# Altium PCB Intermediate_LCL_Revised_20230413.PcbDoc (part 2 of 2)
Units mil, origin at the board's own origin, x right, y up, seen from the top; angles counter-clockwise.
Board outline 12850 x 6950 mil, 2 copper layers (Top Layer, Bottom Layer); 162 components, 99 nets, 541 pads, 45 vias.
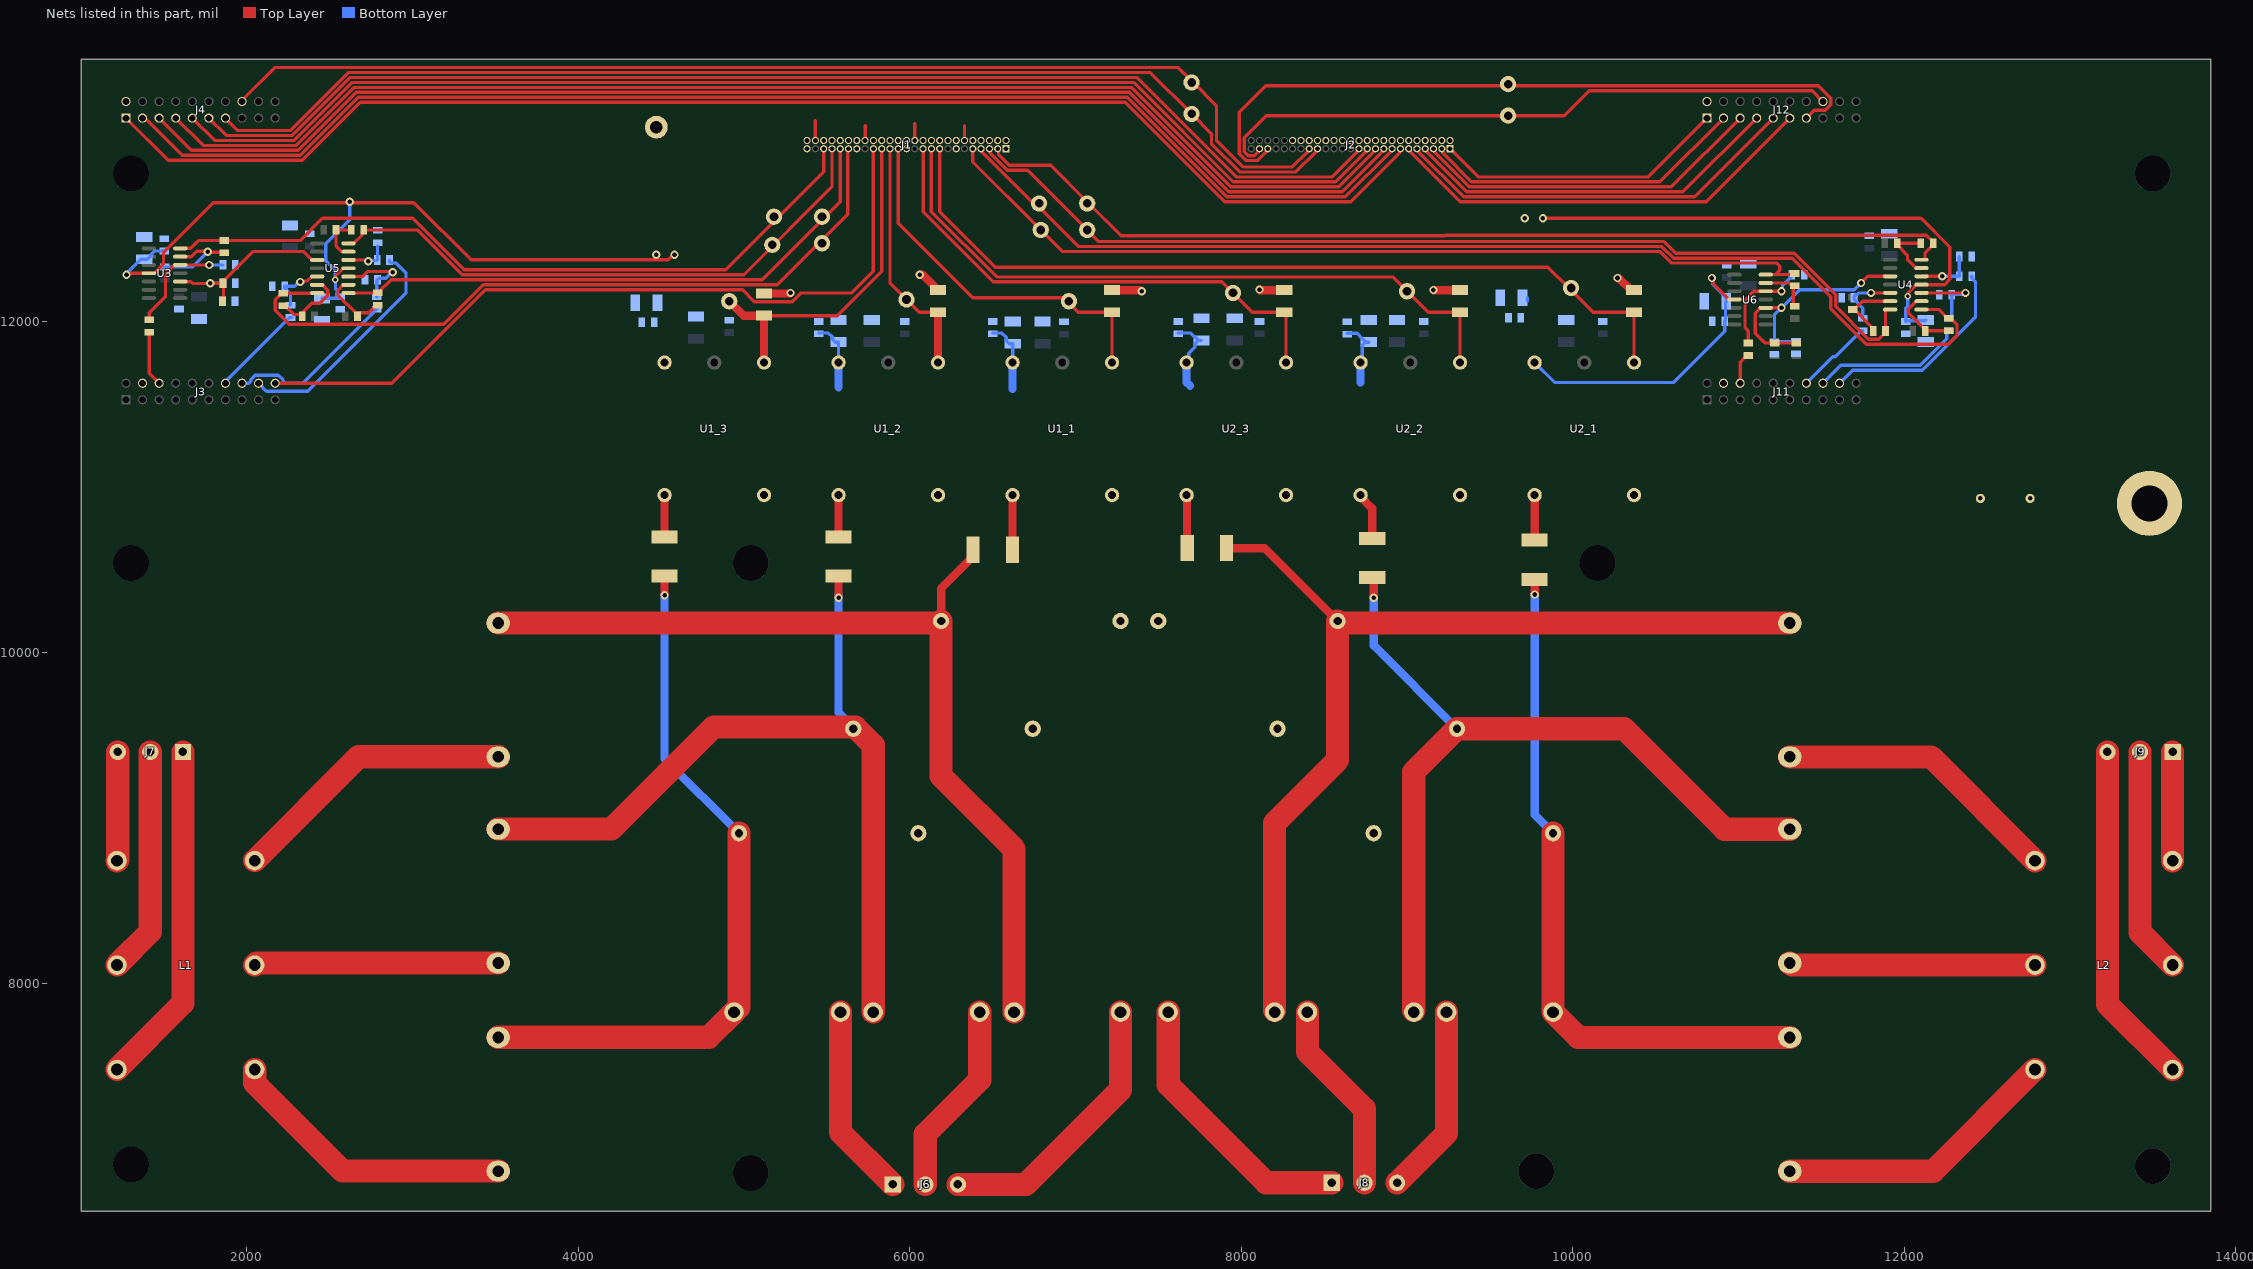
[diagram p2: the nets of this part, all layers, seen from the top]

## Via types
v1: diameter 50, hole 28, Top Layer to Bottom Layer, 41 vias
v2: diameter 40, hole 20, Top Layer to Bottom Layer, 4 vias

## Nets (pads, with @x,y where several pads share a name; then routed paths per layer and width w, separated by ;. In a path a pad name is that pad's centre, name@x,y a point inside that pad or via, vN(x,y) a via of type N, cw(c..) or ccw(c..) an arc to the next point about the centre after c; other vN are vias at no path point) (continued)
-15V: C10.2 C11.2 C14.2 C15.2 C18.2 C19.2 C22.2 C23.2 C26_1.2 C26_2.2 C26_3.2 C27_1.2 C27_2.2 C27_3.2 C30_1.2 C30_2.2 C30_3.2 C31_1.2 C31_2.2 C31_3.2 J1.12 J1.24 J1.36 J1.48 U1_1.4 U1_2.4 U1_3.4 U2_1.4 U2_2.4 U2_3.4 U3.11 U4.11 U5.11 U6.11 | length 12299.6
  Top Layer w20: v1(1272.6,12278.86) 1280.72,12278.86 1290.72,12288.86 U3.11@1408.11,12288.86 1439.61,12288.86 1496.36,12345.61 1496.36,12414.61 1796.74,12715 3007.43,12715 3353.21,12369.21 4541.09,12369.21 4571.88,12400 v1(4580,12400) ; v2(2531.93,12250) 2537.67,12255.74 2537.67,12275.43 2579.92,12317.68 2611.42,12317.68 U5.11@2612.6,12318.86 ; J1.48@5430,13090 5430,13210 ; J1.36@5730,13090 5730,13180 ; J1.24@6030,13090 6030,13190 ; J1.12@6330,13090 6330,13180 ; v1(9820,12620) 12102.1,12620 12275,12447.1 12275,12251.36 12243.64,12220 U4.11@12104.49,12220 12103.31,12218.82 12071.81,12218.82 12025.01,12172.02 12025.01,12153.83 v2(12021.18,12150) ; v1(10840,12260) 10845.74,12254.26 10845.74,12228.28 10944.02,12130 U6.11@10975.51,12130 11006.03,12130 11007.7,12131.67 U6.11@11007.7,12135.71
  Top Layer w50: U2_2.4@8720,11750 U2_2.4@8720.43,11749.57
  Bottom Layer w20: v1(1272.6,12278.86) 1272.6,12285.35 1360.32,12373.07 C15.2@1380,12373.07 1399.68,12373.07 1419.21,12392.6 1419.21,12400.75 1441.06,12422.6 C14.2@1500,12422.6 ; C11.2@2452.6,12135.79 2455.08,12138.27 2560.12,12138.27 2562.6,12140.75 2553.74,12140.75 2543.66,12150.83 2543.66,12168.05 2543.66,12185 2533.66,12195 2533.66,12248.27 v2(2531.93,12250) 2531.93,12308.33 2475.52,12364.74 2475.52,12466.07 2620,12610.55 v1(2620,12720) ; C26_2.2@5450,11928.11 5508.94,11928.11 5530.79,11906.26 5530.79,11892.6 5550.31,11873.07 C27_2.2@5570,11873.07 U1_2.4@5570,11750 ; C26_1.2@6500,11928.11 6554.96,11928.11 6580.79,11902.28 6580.79,11882.6 6600.31,11863.07 C27_1.2@6620,11863.07 U1_1.4@6620,11750 ; C30_3.2@7620,11928.11 7695.28,11928.11 C31_3.2@7740.31,11883.07 ; U2_3.4@7670,11750 7682.75,11762.75 7682.75,11805.82 7720.79,11843.86 7720.79,11863.54 C31_3.2@7740.31,11883.07 ; C31_3.2@7760,11883.07 C31_3.2@7740.31,11883.07 ; C30_2.2@8640,11926.22 8698.94,11926.22 8730.79,11894.37 8730.79,11892.6 C31_2.2@8750.32,11873.07 ; U2_2.4@8720,11750 8730.79,11760.79 8730.79,11853.54 C31_2.2@8750.32,11873.07 ; C31_2.2@8770,11873.07 C31_2.2@8750.32,11873.07 ; 9726.93,12120.32 9726.93,12140 ; U2_1.4@9770,11750 9890,11630 10610,11630 10917.4,11937.4 C22.2@10917.4,12000 10922.17,12004.76 10922.17,12115.24 C23.2@10926.93,12120 10926.93,12139.68 10845.74,12220.87 10845.74,12254.26 v1(10840,12260) ; v2@12015.59,12155.59 12022.58,12148.6 12022.58,12090 12010,12077.42 C18.2@12010,11997.4 12014.76,12002.17 12125.24,12002.17 C19.2@12130,12006.93 ; v2(12021.18,12150) v2@12021.18,12155.41
  Bottom Layer w50: 5570,11600 U1_2.4@5570,11750 ; 6620,11590 U1_1.4@6620,11750 ; U2_3.4@7670,11750 7670,11630 7690,11610 ; 8720,11630 U2_2.4@8720,11750
  other v1: 4470,12400 9710,12620
AGND: C2.1 C5.1 C7.1 C8.1 C9.1 C10.1 C11.1 C12.1 C13.1 C14.1 C15.1 C16.1 C17.1 C18.1 C19.1 C20.1 C21.1 C22.1 C23.1 C24_1.1 C24_2.1 C24_3.1 C25_1.1 C25_2.1 C25_3.1 C26_1.1 C26_2.1 C26_3.1 C27_1.1 C27_2.1 C27_3.1 C28_1.1 C28_2.1 C28_3.1 C29_1.1 C29_2.1 C29_3.1 C30_1.1 C30_2.1 C30_3.1 C31_1.1 C31_2.1 C31_3.1 J1.01 J1.02 J1.04 J1.06 J1.08 J1.10 J1.13 J1.14 J1.16 J1.18 J1.20 J1.22 J1.25 J1.26 J1.28 J1.30 J1.32 J1.34 J1.37 J1.38 J1.40 J1.42 J1.44 J1.46 J1.49 J1.50 J2.02 J2.04 J2.06 J2.08 J2.10 J2.12 J2.14 J2.16 J2.18 J2.20 J2.22 J2.24 J2.26 J2.28 J2.30 J2.32 J2.34 J2.36 J2.38 J2.40 J3.04 J4.02 J11.04 J12.02 R2_1.1 R2_2.1 R2_3.1 R4_1.1 R4_2.1 R4_3.1 R7.1 R10.2 R13.1 R16.2 R36_1.1 R36_2.1 R36_3.1 R40_1.1 R40_2.1 R40_3.1 TP35.1 | length 941.4
  Top Layer w50: R2_3.1@5120,12166.93 5276.93,12166.93 v1(5280,12170) ; v1(6060,12280) 6076.93,12280 R2_2.1@6170,12186.93 ; R2_1.1@7220,12186.93 7393.07,12186.93 v1(7400,12180) ; v1(8110,12190) 8113.07,12186.93 R4_3.1@8260,12186.93 ; v1(9159.39,12187.74) 9160.2,12186.93 R4_2.1@9320,12186.93 ; v1(10270,12260) 10277.24,12260 10350.32,12186.93 R4_1.1@10370,12186.93
  Bottom Layer w20: J2.40@8305.62,13094.38 J2.40@8310,13090
C1_Neut: C3_1.1 C3_2.1 C3_3.1 U1_1.1 U1_2.1 U1_3.1
C2_Neut: C1_1.1 C1_2.1 C1_3.1 U2_1.1 U2_2.1 U2_3.1
Earth: C2.2 J18.1
EPWM1A: J2.01 J12.01 | length 1767.5
  Top Layer w20: J2.01@9260,13040 9430,12870 10455,12870 J12.01@10810,13225
EPWM1B: J2.03 J12.03 | length 1954.7
  Top Layer w20: J2.03@9210,13040 9214.38,13035.62 9214.38,13014.42 9388.8,12840 10525,12840 J12.03@10910,13225
EPWM2A: J2.05 J12.05 | length 2125.1
  Top Layer w20: J2.05@9160,13040 9164.38,13035.62 9164.38,13021.99 9376.38,12810 10595,12810 J12.05@11010,13225
EPWM2B: J2.07 J12.07 | length 2297.1
  Top Layer w20: J2.07@9110,13040 9110,13033.8 9118.54,13025.26 9118.54,13022.83 9361.37,12780 10665,12780 J12.07@11110,13225
EPWM3A: J2.09 J12.09 | length 2471.9
  Top Layer w20: J2.09@9060,13040 9060,13033.8 9068.54,13025.26 9068.54,13022.83 9341.37,12750 10735,12750 J12.09@11210,13225
EPWM3B: J2.11 J12.11 | length 2646.8
  Top Layer w20: J2.11@9010,13040 9010,13033.8 9018.54,13025.26 9018.54,13022.83 9321.37,12720 10805,12720 J12.11@11310,13225
EPWM4A: J2.13 J4.01 | length 8333.4
  Top Layer w20: J4.01@1270,13225 1525,12970 2334.56,12970 2684.56,13320 7300,13320 7900,12720 8660,12720 8955.62,13015.62 8955.62,13035.62 J2.13@8960,13040
EPWM4B: J2.15 J4.03 | length 8151.9
  Top Layer w20: J4.03@1370,13225 1379.18,13225 1391.97,13212.22 1397.78,13212.22 1610,13000 2322.13,13000 2672.13,13350 7312.43,13350 7912.43,12750 8628.63,12750 8901.46,13022.83 8901.46,13025.26 8910,13033.8 J2.15@8910,13040
EPWM5A: J2.17 J4.05 | length 7977
  Top Layer w20: J4.05@1470,13225 1665,13030 2309.71,13030 2659.71,13380 7324.85,13380 7924.85,12780 8608.63,12780 8798.63,12970 8851.46,13022.83 8851.46,13025.26 8860,13033.8 J2.17@8860,13040
EPWM5B: J2.19 J4.07 | length 7802.2
  Top Layer w20: J4.07@1570,13225 1735,13060 2297.28,13060 2647.28,13410 7337.28,13410 7937.28,12810 8588.63,12810 8805.62,13026.99 8805.62,13035.62 J2.19@8810,13040
EPWM6A: J2.21 J4.09 | length 7627.3
  Top Layer w20: J4.09@1670,13225 1805,13090 2284.85,13090 2634.85,13440 7350,13440 7950,12840 8568.63,12840 8751.46,13022.83 8751.46,13025.26 8760,13033.8 J2.21@8760,13040
EPWM6B: J2.23 J4.11 | length 7452.5
  Top Layer w20: J4.11@1770,13225 1875,13120 2272.43,13120 2622.43,13470 7370,13470 7970,12870 8548.63,12870 8705.62,13026.99 8705.62,13035.62 J2.23@8710,13040
I_InA_1: J3.14 R39_1.1 | length 573.1
  Bottom Layer w20: J3.14@1870,11625 1876.72,11631.72 1876.72,11644.44 2253.74,12021.46 R39_1.1@2262.6,12021.46 R39_1.1@2271.46,12021.46
I_InA_2: J3.16 R39_2.1 | length 1051.1
  Bottom Layer w20: J3.16@1970,11625 1970.68,11625.68 2010.73,11625.68 2022.44,11637.39 2022.44,11644.7 2050.3,11672.56 2189.7,11672.56 2217.56,11644.7 2217.56,11636.72 2229.27,11625 2336.14,11625 2763.66,12052.52 2763.66,12061.38 2773.74,12071.46 R39_2.1@2782.6,12071.46
I_InA_3: J3.18 R39_3.1 | length 1412
  Bottom Layer w20: J3.18@2070,11625 2117.56,11577.44 2365.88,11577.44 2960,12171.56 2960,12290 2900,12350 2870.08,12350 2860,12360.08 R39_3.1@2860,12368.86
I_InB_1: J11.14 R35_1.1 | length 471.6
  Bottom Layer w20: J11.14@11410,11625 11569.5,11784.5 11583.04,11784.5 11741.14,11942.6 R35_1.1@11750,11942.6
I_InB_2: J11.16 R35_2.1 | length 915
  Bottom Layer w20: J11.16@11510,11625 11618.49,11733.49 12097.44,11733.49 12256.47,11892.52 12256.47,11932.52 12266.55,11942.6 R35_2.1@12270,11942.6
I_InB_3: J11.18 R35_3.1 | length 1240.9
  Bottom Layer w20: J11.18@11610,11625 11688.49,11703.49 12109.87,11703.49 12430,12023.62 12430,12238.54 12407.4,12261.14 R35_3.1@12407.4,12270
I_NegA_1: R37_1.1 R38_1.2 U5.6 | length 485.2
  Top Layer w20: R37_1.1@2220,12092.6 2228.86,12092.6 2281.46,12040 R38_1.2@2325.2,12040 ; R38_1.2@2325.2,12041.46 2391.05,12107.31 2438.56,12107.31 2486.93,12155.68 2486.93,12187.05 2455.12,12218.86 U5.6@2423.62,12218.86 U5.6@2391.15,12218.86 ; R38_1.2@2332.6,12021.14 R38_1.2@2332.6,12030
I_NegA_2: R37_2.1 R38_2.2 U5.9 | length 424.7
  Top Layer w20: U5.9@2612.7,12218.75 U5.9@2612.6,12218.86 2581.1,12218.86 2549.29,12187.05 2549.29,12155.68 2602.66,12102.31 2603.95,12102.31 2667.4,12038.86 R38_2.2@2667.4,12030 ; R38_2.2@2667.4,12050 2735.95,12050 2781.14,12095.2 R37_2.1@2790,12095.2
I_NegA_3: R37_3.1 R38_3.2 U5.13 | length 261.8
  Top Layer w20: U5.13@2612.6,12418.86 2611.91,12419.55 2570.45,12419.55 2537.4,12452.6 R38_3.2@2537.4,12550 R37_3.1@2612.6,12550
I_NegB_1: R33_1.1 R34_1.2 U4.6 | length 423.3
  Top Layer w20: R34_1.2@11690,12070 R34_1.2@11698.86,12070 ; R33_1.1@11812.6,11940 11802.52,11950.08 11802.52,11966.34 R34_1.2@11698.86,12070 ; U4.6@11915.51,12120 11748.86,12120 R34_1.2@11698.86,12070
I_NegB_2: R33_2.1 R34_2.2 U4.9 | length 417
  Top Layer w20: U4.9@12104.49,12120 12073.64,12120 12025.11,12071.47 12025.11,12051.15 12127.4,11948.86 R34_2.2@12127.4,11940 12128.7,11941.3 12268.7,11941.3 R33_2.1@12270,11942.6
I_NegB_3: R33_3.1 R34_3.2 U4.13 | length 377.2
  Top Layer w20: R33_3.1@12103.7,12466.3 R33_3.1@12100,12470 R34_3.2@11957.4,12470 11957.4,12461.14 12019.89,12398.65 12019.89,12373.1 12072.99,12320 U4.13@12104.49,12320
I_OutA_1: J1.39 R37_1.2 TP13.1 U5.7 | length 4525.8
  Top Layer w20: U5.7@2391.15,12168.86 U5.7@2423.62,12168.86 2422.93,12168.17 2391.15,12168.17 2220.76,12168.17 R37_1.2@2220,12167.4 2211.14,12167.4 2171.06,12127.32 2171.06,12064.24 2254.24,11981.06 3188.64,11981.06 3426.79,12219.21 5199.21,12219.21 5465,12485 5625.62,12645.62 5625.62,13035.62 J1.39@5630,13040
I_OutA_2: J1.41 R37_2.2 TP14.1 U5.8 | length 3515.5
  Top Layer w20: U5.8@2612.6,12168.86 U5.8@2645.07,12168.86 ; U5.8@2645.07,12169.43 2789.43,12169.43 R37_2.2@2790,12170 2869.21,12249.21 5109.21,12249.21 5500,12640 5580,12720 J1.41@5580,13040
I_OutA_3: J1.43 R37_3.2 TP15.1 U5.14 | length 3525
  Top Layer w20: U5.14@2612.6,12468.86 2644.09,12468.86 2694.72,12519.49 2694.72,12539.92 R37_3.2@2704.8,12550 3027.57,12550 3298.36,12279.21 4999.21,12279.21 5530,12810 J1.43@5530,13040
I_OutB_1: J1.05 R33_1.2 TP2.1 U4.7 | length 6121.1
  Top Layer w20: J1.05@6480,13040 6484.38,13035.62 6484.38,13013.19 6587.57,12910 6710,12910 TP2.1@7070,12550 7140,12480 10550.92,12480 10620.92,12410 11337.13,12410 11586.94,12160.19 11586.94,12088.36 11784.24,11891.06 11847.32,11891.06 11887.4,11931.14 11887.4,12068.33 11889.07,12070 U4.7@11915.51,12070
I_OutB_2: J1.07 R33_2.2 TP3.1 U4.8 | length 6771.9
  Top Layer w20: J1.07@6430,13040 6434.38,13035.62 6434.38,13020.76 6730.14,12725.01 6754.99,12725.01 6770,12710 TP3.1@6780,12710 ; TP3.1@6770,12700 7020,12450 10538.49,12450 10608.49,12380 11324.7,12380 11556.94,12147.76 11556.94,12075.93 11771.81,11861.06 12265.76,11861.06 12318.94,11914.24 12318.94,11977.32 12278.86,12017.4 R33_2.2@12270,12017.4 12261.14,12017.4 12208.54,12070 U4.8@12104.49,12070
I_OutB_3: J1.03 R33_3.2 TP1.1 U4.14 | length 6047.7
  Top Layer w20: J1.03@6530,13040 6534.38,13035.62 6534.38,13005.62 6600,12940 6850,12940 7075,12715 7275,12515 9227.65,12515 9231.59,12518.94 12134.72,12518.94 12174.8,12478.86 12174.8,12461.14 12125.98,12412.32 12125.98,12371.67 12124.31,12370 U4.14@12104.49,12370
I_PosA_1: R39_1.2 R40_1.2 U5.5 | length 358.9
  Top Layer w20: v1(2321.48,12236.38) 2327.22,12242.12 2364.41,12242.12 2391.15,12268.86 U5.5@2423.62,12268.86
  Bottom Layer w20: R39_1.2@2261.3,12097.56 R39_1.2@2262.6,12096.26 2262.6,12165.94 2227.4,12201.14 R40_1.2@2227.4,12210 2286.99,12210 2313.37,12236.38 v1(2321.48,12236.38) v1@2315.74,12230.64
I_PosA_2: R39_2.2 R40_2.2 U5.10 | length 497.7
  Top Layer w20: U5.10@2612.6,12268.86 2696.96,12268.86 2726.96,12298.86 2875.35,12298.86 v1(2880,12294.21)
  Bottom Layer w20: R39_2.2@2782.6,12146.26 2783.9,12147.56 2783.9,12245.35 2797.4,12258.86 2837.57,12258.86 2872.93,12294.21 v1(2880,12294.21)
I_PosA_3: R39_3.2 R40_3.2 U5.12 | length 264.5
  Top Layer w20: U5.12@2612.6,12368.86 2716.75,12368.86 2724.21,12361.4 v1(2732.33,12361.4)
  Bottom Layer w20: v1(2732.33,12361.4) 2736.06,12365.13 2781.47,12365.13 R39_3.2@2785.2,12368.86 2787.6,12371.26 2787.6,12450.2 R40_3.2@2790,12452.6
I_PosB_1: R35_1.2 R36_1.2 U4.5 | length 380.1
  Top Layer w20: v1(11800,12170) U4.5@11915.51,12170
  Bottom Layer w20: R35_1.2@11750,12017.4 11750,12078.54 11697.4,12131.14 R36_1.2@11697.4,12140 11697.4,12148.86 11707.48,12158.94 11716.34,12158.94 11727.4,12170 v1(11800,12170)
I_PosB_2: R35_2.2 R36_2.2 U4.10 | length 514.3
  Top Layer w20: U4.10@12104.49,12170 v1(12370,12170)
  Bottom Layer w20: R35_2.2@12270,12017.4 12277.32,12017.4 12287.4,12027.48 R36_2.2@12287.4,12160 ; R36_2.2@12279.47,12160 12351.88,12160 12361.88,12170 v1(12370,12170)
I_PosB_3: R35_3.2 R36_3.2 U4.12 | length 348.1
  Top Layer w20: U4.12@12104.49,12270 v1(12230,12270)
  Bottom Layer w20: v1(12230,12270) R35_3.2@12332.6,12270 R36_3.2@12332.6,12390
NetC1_1_2: C1_1.2 L5_1.2 L6_1.1 R3_1.1 | length 4149.9
  Top Layer w50: v1(9770,10350) R3_1.1@9770,10441.89
  Top Layer w140: C1_1.2@9881.34,8910 9881.26,8909.92 L6_1.1@9881.26,7830 10033.72,7677.54 L5_1.2@11310,7677.54
  Bottom Layer w50: v1(9770,10350) 9770,9021.34 C1_1.2@9881.34,8910
NetC1_2_2: C1_2.2 L5_2.2 L6_2.1 R3_2.1 | length 5191.3
  Top Layer w50: R3_2.1@8790,10451.89 8800,10441.89 v1(8800,10330)
  Top Layer w140: L6_2.1@9041.26,7840 9041.26,9279.92 C1_2.2@9301.34,9540 10310,9540 10916.46,8933.54 L5_2.2@11310,8933.54
  Bottom Layer w50: v1(8800,10330) 8800,10041.34 C1_2.2@9301.34,9540
NetC1_3_2: C1_3.2 L5_3.2 L6_3.1 R3_3.1 | length 6094.8
  Top Layer w50: R3_3.1@7910,10630 8141.34,10630 C1_3.2@8581.34,10190
  Top Layer w140: L6_3.1@8201.26,7840 8201.26,8971.26 8581.34,9351.34 C1_3.2@8581.34,10190 8593.8,10177.54 L5_3.2@11310,10177.54
NetC3_1_2: C3_1.2 L3_1.2 L4_1.1 R1_1.1 | length 5730.4
  Top Layer w50: C3_1.2@6188.66,10190 6188.66,10387.4 6381.89,10580.63 R1_1.1@6381.89,10620
  Top Layer w140: L3_1.2@3515.71,10177.54 6176.2,10177.54 C3_1.2@6188.66,10190 6188.66,9254.37 6628.74,8814.29 L4_1.1@6628.74,7830
NetC3_2_2: C3_2.2 L3_2.2 L4_2.1 R1_2.1 | length 5131.6
  Top Layer w50: v1(5570,10330) R1_2.1@5570,10461.89
  Top Layer w140: L3_2.2@3515.71,8934.39 4199.38,8934.39 4814.99,9550 C3_2.2@5658.66,9550 ; C3_2.2@5670,9550 5778.74,9441.26 L4_2.1@5778.74,7830
  Bottom Layer w50: v1@5570,10350 5570,9638.66 C3_2.2@5658.66,9550
NetC3_3_2: C3_3.2 L3_3.2 L4_3.1 R1_3.1 | length 4320.8
  Top Layer w50: v1(4520,10345.35) R1_3.1@4520,10461.89
  Top Layer w140: L3_3.2@3515.71,7677.93 4786.67,7677.93 L4_3.1@4938.74,7830 4968.66,7859.92 C3_3.2@4968.66,8910
  Bottom Layer w50: v1@4520,10350 4520,9358.66 C3_3.2@4968.66,8910
NetC4_1: C4.1 C5.2 R5.1 R7.2 U3.3 U5.3 | length 1189.4
  Top Layer w20: U3.3@1597.09,12238.86 1597.78,12238.17 1660.93,12238.17 1671.72,12227.38 1757.68,12227.38 1759.16,12228.86 v1(1778.93,12228.86) R5.1@1855.2,12228.86 1857.95,12226.1 1857.95,12141.61 C4.1@1860.71,12138.86 ; R5.1@1855.2,12237.72 2037.48,12420 2340.98,12420 2390.94,12370.04 2422.44,12370.04 U5.3@2423.62,12368.86
  Bottom Layer w20: v1(1778.93,12228.86) R7.2@1855.2,12228.86 1857.95,12226.1 1857.95,12141.61 C5.2@1860.71,12138.86
NetC6_1: C6.1 C7.2 R11.1 R13.2 U4.3 U6.3 | length 1654.8
  Top Layer w20: v1(11260,12080) U6.3@11164.49,12080 11132.99,12080 11101.18,12048.19 11101.18,11927.28 11161.06,11867.4 R11.1@11220,11867.4 C6.1@11350,11867.4 ; v1(11740,12230) 11780,12270 U4.3@11915.51,12270
  Bottom Layer w20: R13.2@11347.16,11877.4 11345.86,11876.1 11218.46,11876.1 C7.2@11217.16,11874.8 11217.16,12037.16 v1(11260,12080) 11368.94,12188.94 11698.94,12188.94 v1(11740,12230)
NetJ7_1: J7.1 L1.3 | length 2080.4
  Top Layer w140: L1.3@1215.71,7484.46 1613.7,7882.46 J7.1@1613.7,9400
NetJ7_2: J7.2 L1.2 | length 1368.9
  Top Layer w140: L1.2@1215.71,8114.39 1416.85,8315.53 J7.2@1416.85,9400
NetJ7_3: J7.3 L1.1 | length 657.9
  Top Layer w140: L1.1@1215.71,8743.92 1220,8748.21 J7.3@1220,9400
NetJ9_1: J9.1 L2.3 | length 656.1
  Top Layer w140: L2.3@13620,8743.92 J9.1@13620,9400
NetJ9_2: J9.2 L2.2 | length 1367.5
  Top Layer w140: J9.2@13423.15,9400 13423.15,8310.85 L2.2@13620,8114
NetJ9_3: J9.3 L2.1 | length 2079
  Top Layer w140: J9.3@13226.3,9400 13226.3,7877.78 L2.1@13620,7484.08
NetR1_1_2: R1_1.2 U1_1.5 | length 330.8
  Top Layer w50: R1_1.2@6618.11,10620 6619.06,10620.94 6619.06,10949.06 U1_1.5@6620,10950
NetR1_2_2: R1_2.2 U1_2.5 | length 231.9
  Top Layer w50: R1_2.2@5570,10718.11 U1_2.5@5570,10950
NetR1_3_2: R1_3.2 U1_3.5 | length 247.2
  Top Layer w50: R1_3.2@4520,10702.76 U1_3.5@4520,10950
NetR3_1_2: R3_1.2 U2_1.5 | length 271.9
  Top Layer w50: R3_1.2@9770,10678.11 U2_1.5@9770,10950
NetR3_2_2: R3_2.2 U2_2.5 | length 290.9
  Top Layer w50: U2_2.5@8720,10950 8720,10940.09 8790,10870.09 R3_2.2@8790,10688.11
NetR3_3_2: R3_3.2 U2_3.5 | length 321.6
  Top Layer w50: U2_3.5@7670,10950 7671.89,10948.11 7671.89,10631.89 R3_3.2@7673.78,10630
NetR6_2: R6.2 R8.2 U3.6 | length 581.1
  Top Layer w20: U3.6@1597.09,12388.86 1665.18,12388.86 1697.3,12420.98 1760.48,12420.98 1766.3,12415.16 1858.9,12415.16 R6.2@1862.6,12411.46
  Bottom Layer w20: R8.2@1502.6,12326.26 1670,12326.26 v1(1762.6,12418.86)
NetR9_2: R9.2 R10.1 U3.5 | length 700.5
  Top Layer w20: R9.2@1410,12000.56 1410,12050 1508.84,12148.84 1508.84,12282.11 1565.59,12338.86 U3.5@1597.09,12338.86 v1(1772.6,12338.86)
  Bottom Layer w20: v1@1772.6,12346.98 v1(1772.6,12338.86) R10.1@1855.2,12338.86
NetR12_2: R12.2 R14.2 U6.6 | length 300.2
  Top Layer w20: U6.6@11164.49,12230 11303.74,12230 11321.14,12212.6 11330,12212.6 11330,12090 R14.2@11326.54,12093.46
NetR15_2: R15.2 R16.1 U6.5 | length 636.8
  Top Layer w20: R15.2@11060,11867.4 11060,11940.56 11040,11960.56 11040,12125.58 11068.82,12154.4 11068.82,12157.64 11091.18,12180 v1(11260,12180)
  Bottom Layer w20: v1(11260,12180) 11265.74,12185.74 11265.74,12214.28 11322.6,12271.14 R16.1@11322.6,12280
PCB_OT_1: J2.33 J4.13 TP17.1 | length 7112.8
  Top Layer w20: J4.13@1870,13225 1945,13150 2260,13150 2610,13500 7450,13500 TP17.1@7700,13250 7820,13130 7820,13070 7990,12900 8328.63,12900 8451.46,13022.83 8451.46,13025.26 8460,13033.8 J2.33@8460,13040
PCB_OT_2: J2.45 J12.13 TP19.1 | length 4368.7
  Top Layer w20: J2.45@8160,13040 8160,13033.8 8151.46,13025.26 8151.46,13022.83 8097.17,12968.54 8030.4,12968.54 7988.54,13010.4 7988.54,13259.6 8148.95,13420 11482.26,13420 11557.56,13344.7 11557.56,13305.3 11524.82,13272.56 11457.56,13272.56 J12.13@11410,13225 J12.13@11419.18,13225
PWM_EN_1: J2.35 J4.16 TP18.1 | length 6958.1
  Top Layer w20: J4.16@1970,13325 1970,13333.85 2166.15,13530 7620,13530 7700,13450 TP18.1@7700,13440 7710,13440 7850,13300 7850,13090 8010,12930 8308.63,12930 8401.46,13022.83 8401.46,13025.26 8410,13033.8 J2.35@8410,13040
PWM_EN_2: J2.47 J12.16 TP20.1 | length 3843.6
  Top Layer w20: J2.47@8110,13040 8110,13033.8 8101.46,13025.26 8101.46,13022.83 8077.17,12998.54 8042.83,12998.54 8018.54,13022.83 8018.54,13107.17 8151.37,13240 9880,13240 9950,13240 10100,13390 11445,13390 J12.16@11510,13325
V_capA_1: J1.27 R2_1.2 TP9.1 U1_1.2 | length 2265.5
  Top Layer w20: J1.27@5930,13040 5930,12590 6380,12140 6924.1,12140 6949.1,12115 6955,12115 7016.93,12053.07 R2_1.2@7220,12053.07 U1_1.2@7220,11750
V_capA_2: J1.29 R2_2.2 TP10.1 U1_2.2 | length 1476.4
  Top Layer w20: J1.29@5880,13040 5880,12230 TP10.1@5980,12130 6056.93,12053.07 R2_2.2@6170,12053.07
  Top Layer w50: U1_2.2@6170,11750 R2_2.2@6170,12053.07
V_capA_3: J1.31 R2_3.2 TP11.1 U1_3.2 | length 2089.6
  Top Layer w20: R2_3.2@5120,12033.07 5563.07,12033.07 5830,12300 J1.31@5830,13040
  Top Layer w50: TP11.1@4910,12120 4996.93,12033.07 R2_3.2@5120,12033.07 U1_3.2@5120,11750
V_capB_1: J1.17 R4_1.2 TP6.1 U2_1.2 | length 5124.5
  Top Layer w20: J1.17@6180,13040 6180,12660 6514.46,12325.54 9850,12325.54 9977.77,12197.77 10007.77,12167.77 10122.47,12053.07 R4_1.2@10370,12053.07 U2_1.2@10370,11750
V_capB_2: J1.19 R4_2.2 TP7.1 U2_2.2 | length 4124.5
  Top Layer w20: J1.19@6130,13040 6130,12660 6523.54,12266.46 8913.54,12266.46 9126.93,12053.07 R4_2.2@9320,12053.07 U2_2.2@9320,11750
V_capB_3: J1.21 R4_3.2 TP8.1 U2_3.2 | length 3110.1
  Top Layer w20: J1.21@6080,13040 6080,12660 6503.54,12236.46 7883.54,12236.46 8066.93,12053.07 R4_3.2@8260,12053.07 ; U2_3.2@8270,11750 R4_3.2@8270,12043.07
  Bottom Layer w50: U2_3.2@8266.01,11753.99 U2_3.2@8270,11750
V_o_outA_1: J6.3 L4_1.2 | length 1686.6
  Top Layer w140: J6.3@6290,6790 6700,6790 7271.26,7361.26 L4_1.2@7271.26,7830
V_o_outA_2: J6.2 L4_2.2 | length 1175.9
  Top Layer w140: J6.2@6093.15,6790 6093.15,7093.15 6421.26,7421.26 L4_2.2@6421.26,7830
V_o_outA_3: J6.1 L4_3.2 | length 1170.5
  Top Layer w140: L4_3.2@5581.26,7830 5581.26,7105.04 J6.1@5896.3,6790
V_o_outB_1: J8.3 L6_1.2 | length 1153.7
  Top Layer w140: J8.3@8940,6800 9238.74,7098.74 L6_1.2@9238.74,7830
V_o_outB_2: J8.2 L6_2.2 | length 1172.7
  Top Layer w140: L6_2.2@8398.74,7830 8398.74,7591.26 8743.15,7246.85 J8.2@8743.15,6800
V_o_outB_3: J8.1 L6_3.2 | length 1671.2
  Top Layer w140: L6_3.2@7558.74,7830 7558.74,7391.26 8150,6800 J8.1@8546.3,6800
V_termA_1: L1.4 L3_1.1 | length 1728.8
  Top Layer w140: L1.4@2046.42,8744.31 2672.95,9370.84 L3_1.1@3515.71,9370.84
V_termA_2: L1.5 L3_2.1 | length 1474.6
  Top Layer w140: L1.5@2046.42,8114.39 2059.33,8127.3 L3_2.1@3515.71,8127.3
V_termA_3: L1.6 L3_3.1 | length 1771.8
  Top Layer w140: L1.6@2046.42,7484.46 2046.42,7402.02 2577.6,6870.84 L3_3.1@3515.71,6870.84
V_termB_1: L2.4 L5_1.1 | length 1733.5
  Top Layer w140: L5_1.1@11310,6870.46 12175.67,6870.46 L2.4@12789.29,7484.08
V_termB_2: L2.5 L5_2.1 | length 1484.5
  Top Layer w140: L5_2.1@11310,8126.46 11322.46,8114 L2.5@12789.29,8114
V_termB_3: L2.6 L5_3.1 | length 1738.8
  Top Layer w140: L5_3.1@11310,9370.46 12162.76,9370.46 L2.6@12789.29,8743.92
VDCA_In: J3.06 R9.1 | length 332.5
  Top Layer w20: R9.1@1410,11932.6 1410,11685 J3.06@1470,11625
VDCA_Out: J1.45 R6.1 TP16.1 U3.7 | length 4471.4
  Top Layer w20: U3.7@1597.09,12438.86 1659.66,12438.86 1707.06,12486.26 R6.1@1862.6,12486.26 2321.56,12486.26 2455.3,12620 3000,12620 3310.79,12309.21 4889.21,12309.21 5480,12900 J1.45@5480,13040
VDCB_In: J11.06 R15.1 | length 193.5
  Top Layer w20: J11.06@11010,11625 11010,11751.46 11051.14,11792.6 R15.1@11060,11792.6
VDCB_Out: J1.09 R12.1 TP4.1 U6.7 | length 5428.2
  Top Layer w20: J1.09@6380,13040 6380,12960 TP4.1@6790,12550 6920,12420 10526.07,12420 10596.07,12350 11232.43,12350 11250,12332.43 11250,12307.57 11232.43,12290 ; U6.7@11164.49,12280 11165.18,12280.69 11232.43,12280.69 11323.29,12280.69 R12.1@11330,12287.4
VREFA: J1.33 J3.20 | length 4689.1
  Top Layer w20: J3.20@2170,11625 2875,11625 3439.21,12189.21 4990.69,12189.21 5062.5,12117.4 5291.04,12117.4 5343.64,12170 5650,12170 5780,12300 J1.33@5780,13040
pads on no net: J2.25 J2.27 J2.29 J2.31 J2.37 J2.39 J2.41 J2.42 J2.43 J2.44 J2.46 J2.48 J2.49 J2.50 J3.01 J3.02 J3.03 J3.05 J3.07 J3.08 J3.09 J3.10 J3.12 J3.13 J3.15 J3.17 J3.19 J4.04 J4.06 J4.08 J4.10 J4.12 J4.14 J4.15 J4.17 J4.18 J4.19 J4.20 J5.1 J10.1 J11.01 J11.02 J11.03 J11.05 J11.07 J11.08 J11.09 J11.10 J11.12 J11.13 J11.15 J11.17 J11.19 J11.20 J12.04 J12.06 J12.08 J12.10 J12.12 J12.14 J12.15 J12.17 J12.18 J12.19 J12.20 J13.1 J14.1 J15.1 J16.1 J17.1 J19.1 J20.1 U3.8 U3.9 U3.10 U3.12 U3.13 U3.14 U6.8 U6.9 U6.10 U6.12 U6.13 U6.14

## Polygon pours and split planes (outlines as drawn)
AGND on Bottom Layer "Bottom Layer-AGND" (solid, remove dead copper, pour order 7): 12560,11360 12560,10630 12160,10630 12160,11360 10740,11360 10740,11790 10560,11970 3210,11970 2600,11360 1170,11360 1170,13550 13010,13550 13010,11810
C2_Neut on Bottom Layer "C2_NEUT_L02_P001" (solid, pour order 1): 7438.65,11258.89 7438.65,9758.89 8618.65,8578.89 10598.65,8578.89 10598.65,11258.42 10601.35,11261.11
C1_Neut on Bottom Layer "C1_NEUT_L02_P000" (solid, pour order 0): 7320,11250 7320,9760 6163.04,8603.04 4240,8603.04 4240,11250
-15V on Bottom Layer "-15V_L02_P004" (solid, pour order 4): 9880,11460 9880,11580 9880,12680 9660,12680 9660,11680 4640,11680 4640,12440 4420,12440 4420,11460
Earth on Bottom Layer "EARTH_L02_P008" (solid, pour order 8): 13780,11300 13780,10630 12720,10630 12720,11300
+15V on Top Layer "+15V_L01_P002" (solid, pour order 2): 4760,11470 10140,11470 10140,11680 4760,11680
-15V on Top Layer "tga" (solid, pour order 5): 7280,13290 7880,12690 9890,12690 9890,12550 7620,12550 7030,13140 4930,13140 4640,12850 4640,12350 4420,12350 4420,12900 4810,13290

## Silkscreen, mask and mechanical layers (free items; w line width, h text height)
Top Overlay:
  drawing of 119 lines, arcs and shapes, not listed
  text "Inverter 2" at 6760,12830 h60
  text "Inverter 1" at 4870,12740 h60
  text "EPWM" at 7347,12737 h42
  text "1A/B" at 7347,12677 h42
  text "EPWM" at 5747,12647 h42
  text "2A/B" at 7347,12617 h42
  text "6B/A" at 5747,12587 h42
  text "3A/B" at 7347,12557 h42
  text "5B/A" at 5747,12527 h42
  text "4B/A" at 5747,12467 h42
  text "LCL1" at 2240,11220 h60
  text "LCL2" at 11040,11200 h60
  text "Isolation" at 3720,11160 h60
  text "Cf_A" at 2997,11054 h42
  text "Cf_A" at 11177,11044 h42
  text "Lf_A" at 2587,10974 h42
  text "Lf_A" at 11587,10974 h42
  text "Cf_B" at 2927,10924 h42
  text "Cf_B" at 11237,10914 h42
  text "Channels" at 1717,10867 h42
  text "Lf_B" at 2587,10824 h42
  text "Lf_B" at 11587,10824 h42
  text "L_CM" at 2337,10804 h42
  text "Cf_C" at 2857,10794 h42
  text "L_CM" at 11837,10794 h42
  text "Cf_C" at 11327,10784 h42
  text "C1" at 1967,10777 h42
  text "VC_1A" at 1707,10774 h42
  text "C2" at 1967,10717 h42
  text "VC_1B" at 1707,10714 h42
  text "Lg_C" at 2851,10693 h42 r270
  text "Lg_B" at 3001,10693 h42 r270
  text "Lg_A" at 3151,10693 h42 r270
  text "Lg_A" at 11131,10683 h42 r270
  text "Lg_B" at 11281,10683 h42 r270
  text "Lg_C" at 11441,10683 h42 r270
  text "Lf_C" at 2587,10674 h42
  text "Lf_C" at 11587,10674 h42
  text "C3" at 1967,10657 h42
  text "VC_1C" at 1707,10654 h42
  text "D1" at 1967,10597 h42
  text "IL_1A" at 1707,10594 h42
  text "D2" at 1967,10537 h42
  text "IL_1B" at 1707,10534 h42
  text "Earth" at 13360,10510 h60
  text "D3" at 1967,10477 h42
  text "IL_1C" at 1707,10474 h42
  text "D4" at 1967,10407 h42
  text "VDC_1" at 1707,10404 h42
  text "B1" at 1967,10297 h42
  text "VC_2A" at 1707,10294 h42
  text "B2" at 1967,10237 h42
  text "VC_2B" at 1707,10234 h42
  text "B3" at 1967,10177 h42
  text "VC_2C" at 1707,10174 h42
  text "A2" at 1967,10117 h42
  text "IL_2A" at 1707,10114 h42
  text "A3" at 1967,10057 h42
  text "IL_2B" at 1707,10054 h42
  text "A1" at 1967,9997 h42
  text "IL_2C" at 1707,9994 h42
  text "A4" at 1967,9927 h42
  text "VDC_2" at 1707,9924 h42
  text "C" at 13208.44,9592 h60
  text "B" at 13405.29,9592 h60
  text "A" at 13602.15,9592 h60
  text "C" at 1190,9582 h60
  text "B" at 1389,9582 h60
  text "A" at 1585.85,9582 h60
  text "BOOSTXL-3PHGANINV Interface Board" at 6662.87,9072.87 h49.21
  text "Imperial College Dept. of EEE" at 6893.94,8987.06 h39.37
  text "FYP for ytc19" at 7213.94,8897.06 h39.37
  text "Ver2.0" at 7343.94,8813.94 h39.37
  text "C B A" at 9140,6800 h60
  text "A B C" at 5400,6760 h60